# Altium PCB WX0.011.749PCB-4.2.PcbDoc (part 1 of 3) (continued)
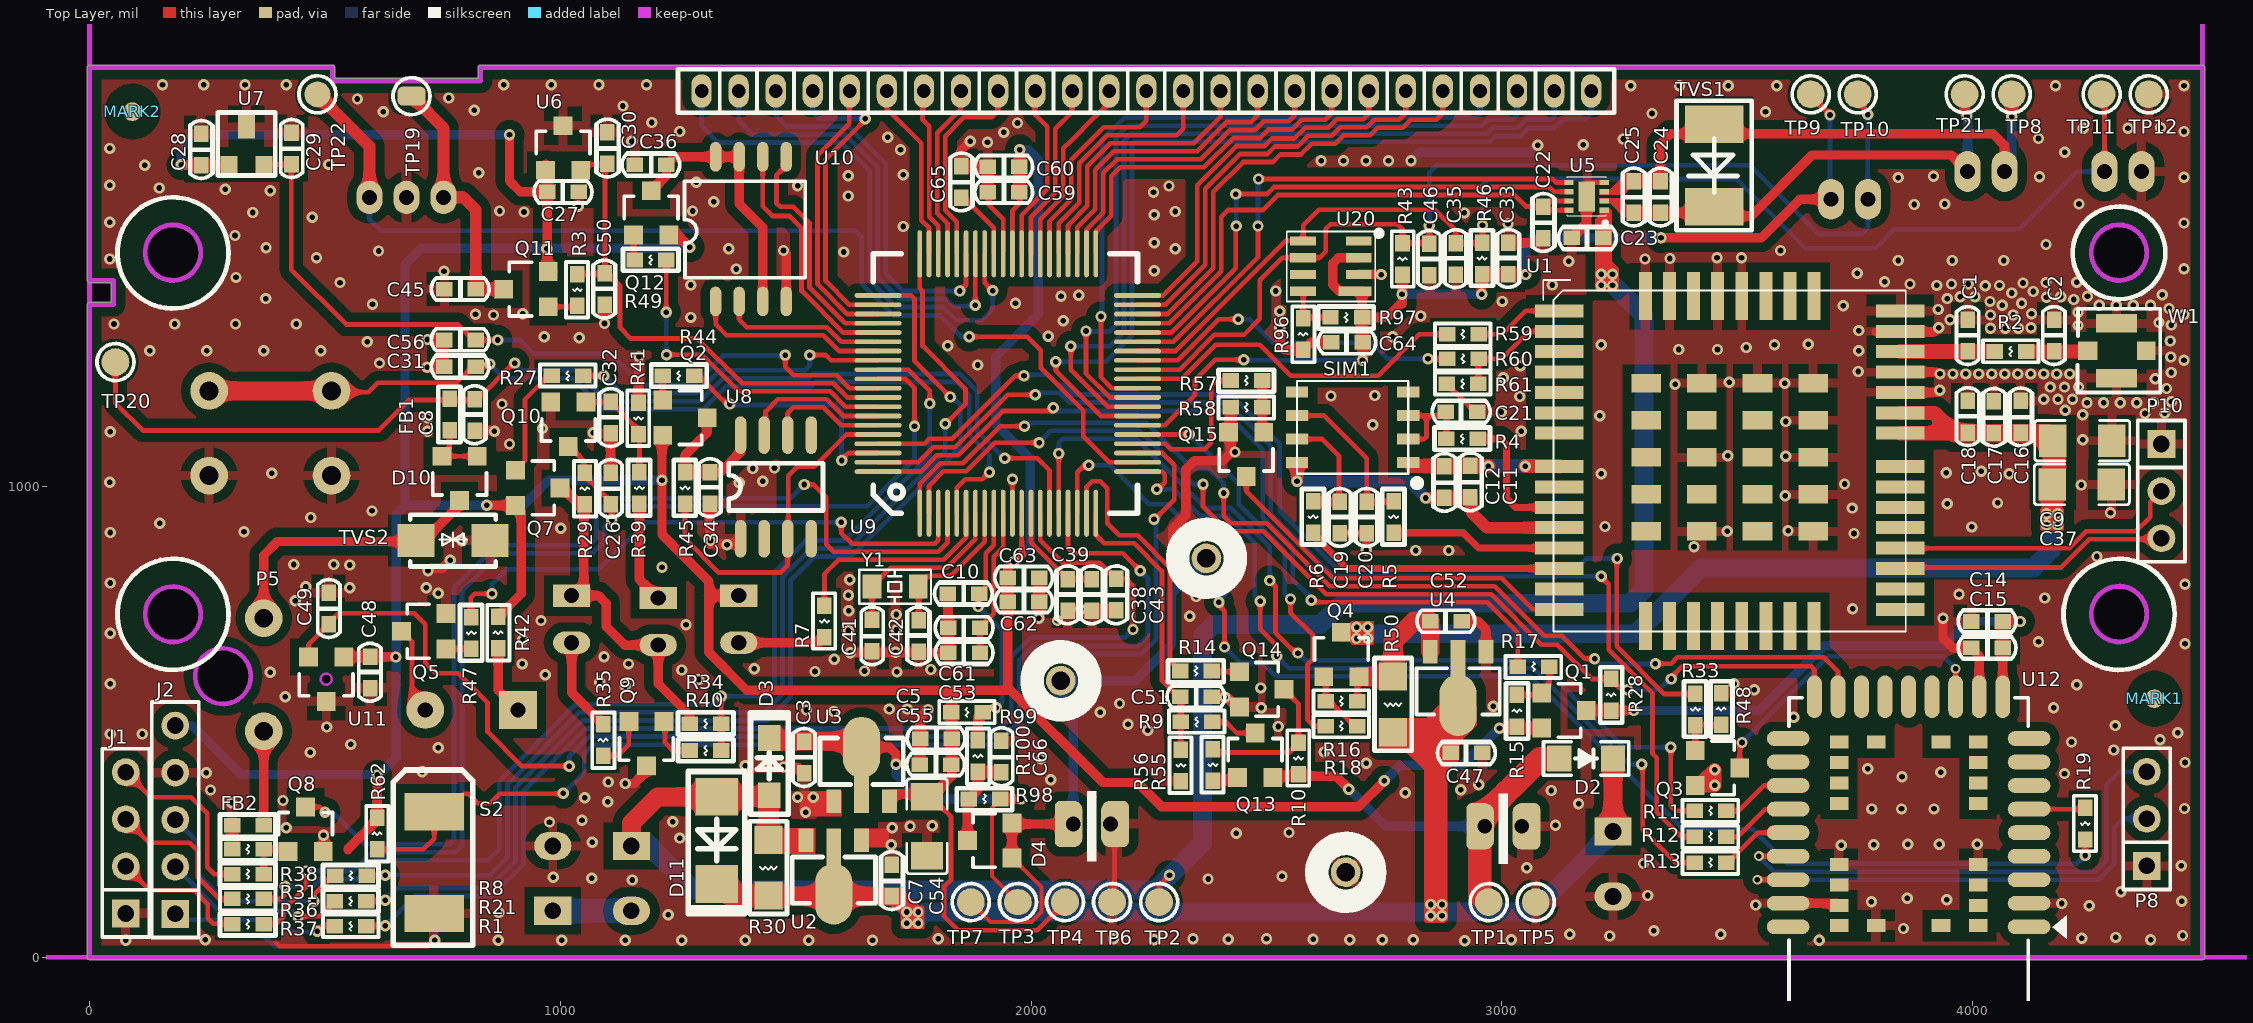
[diagram p0: Top Layer view]
## Footprints (in the part's own frame and the unit in brackets; to place one, negate y for a bottom-side part, rotate by r counter-clockwise, add the part's x,y. Pads: shape width x height; smd on the part's side, far side on the other; paste and mask are expansions set on the pad)
ANT-IPEX [mm] "IPX天线座"
  rect 1x1.05 smd: 1(0,0)
  rect 1x2.2 smd: 2(-1.475,1.55) 2(1.475,1.55)
  rect 1x1 smd: 2(0,3.151)
  silkscreen extent -2.26,-0.56 2.26,3.9
"Bar Code1" [mil]
  silkscreen extent 0,0 965,256
BAT-DIP-3 [mm]
  round 1.6 hole 1: 1(-8.9,-5.13) 1(-8.9,5.13) 2(8.9,0)
  silkscreen extent -10.08,-10.25 11.6,10.25
CAP0603 [mil]
  rect 35x31 smd: 1(-0.49,0) 2(66.51,0)
  silkscreen extent -29,-24 94,23, body extent 1,-15 72,15, height 20
CAPPC_350_800_1600R [mm]
  rect 1.524x2 hole 0.9: 1(-2.5,-1.905)
  oval 1.524x2 hole 0.9: 2(-6,-1.905)
  silkscreen extent -8.5,-1.02 0,16, body extent -8.22,-1.56 -0.22,15.94, height 7.99
CAPPC_500_800_2000R [mm]
  rect 1.524x2 hole 0.9: 1(-1.75,0)
  oval 1.524x2 hole 0.9: 2(1.75,0)
  silkscreen extent -4,-21.78 4,-0.76, body extent -3.97,-21.82 4.03,0.35, height 8
DO-214AA [mil]
  rect 80x125 smd: 1(5,0) 2(180,0)
  silkscreen extent -45,-80 230,80, body extent -13,-77 203,77, height 96
DO-214AC [mil]
  rect 80x90.55 smd: 1(-92.5,0) 2(92.5,0)
  silkscreen extent -146,-60 156,60, body extent -91,-53 90,53, height 94
GRM1206 [mm]
  rect 1.728x1.485 smd: 1(0,-1.593) 2(0,1.593)
  silkscreen extent -1.09,-2.56 1.09,2.56
HYT-0903 [mil]
  rect 80x80 hole 32: 1(0,0)
  round 80 hole 32: 2(196.85,0)
  silkscreen extent -79,-177 275,177, body extent -78,-176 276,178, height 217
IND0603 [mil]
  rect 35x31 smd: 1(0,0) 2(67,0)
  silkscreen extent -26,-24 92,23, body extent 0,-15 71,15, height 12
IR_254_532_300 [mm]
  rect 2x1.2 hole 0.813: 1(0,0)
  oval 2x1.2 hole 0.813: 2(0,-2.54)
  silkscreen extent -2.16,-3.23 2.16,0.91, body extent -1.65,-2.91 1.65,0.39, height 5.51
L-NLEEB21-G5BP4 [mm]
  oval 2.3x0.8 smd mask+0.051: 1(-12.95,12.36) 2(-12.95,11.09) 3(-12.95,9.82) 4(-12.95,8.55) 5(-12.95,7.28) 6(-12.95,6.01) 7(-12.95,4.74) 8(-12.95,3.47) 9(-12.95,2.2) 19(0.05,2.2) 20(0.05,3.47) 21(0.05,4.74) 22(0.05,6.01) 23(0.05,7.28) 24(0.05,8.55) 25(0.05,9.82) 26(0.05,11.09) 27(0.05,12.36)
  oval 1.5x0.8 on Mech1 mask+0.051: 1(-12.55,12.36) 2(-12.55,11.09) 3(-12.55,9.82) 4(-12.55,8.55) 5(-12.55,7.28) 6(-12.55,6.01) 7(-12.55,4.74) 8(-12.55,3.47) 9(-12.55,2.2) 19(-0.35,2.2) 20(-0.35,3.47) 21(-0.35,4.74) 22(-0.35,6.01) 23(-0.35,7.28) 24(-0.35,8.55) 25(-0.35,9.82) 26(-0.35,11.09) 27(-0.35,12.36)
  rect 0.4x0.4 on Mech1 paste-2 mask+0.102: 1(-2.73,13.4) 2(-0.9,13.4)
  oval 0.8x1.5 on Mech1 mask+0.051: 10(-11.53,0.35) 11(-10.26,0.35) 12(-8.99,0.35) 13(-7.72,0.35) 14(-6.45,0.35) 15(-5.18,0.35) 16(-3.91,0.35) 17(-2.64,0.35) 18(-1.37,0.35)
  oval 0.8x2.3 smd mask+0.051: 10(-11.53,-0.05) 11(-10.26,-0.05) 12(-8.99,-0.05) 13(-7.72,-0.05) 14(-6.45,-0.05) 15(-5.18,-0.05) 16(-3.91,-0.05) 17(-2.64,-0.05) 18(-1.37,-0.05)
  rect 1x0.7 smd: 28(-2.7,5.7) 29(-2.7,9) 30(-2.7,10.1) 31(-2.7,11.2) 32(-2.7,12.3) 33(-4.7,12.3) 34(-8.2,12.3) 35(-10.2,12.3) 36(-10.2,11.2) 37(-10.2,10.1) 38(-10.2,9) 39(-10.2,5.7) 40(-10.2,4.6) 41(-10.2,3.5) 42(-10.2,2.4) 43(-8.2,2.4) 44(-4.7,2.4) 45(-2.7,2.4) 46(-2.7,3.5) 47(-2.7,4.6)
  silkscreen extent -14.99,0 0,19, body extent -12.9,0 0,19, height 3
LCD_GVH21861A-HPP [mm]
  oval 1.1x1.8 hole 0.732: 1(0,0) 2(-2,0) 3(-4,0) 4(-6,0) 5(-8,0) 6(-10,0) 7(-12,0) 8(-14,0) 9(-16,0) 10(-18,0) 11(-20,0) 12(-22,0) 13(-24,0) 14(-26,0) 15(-28,0) 16(-30,0) 17(-32,0) 18(-34,0) 19(-36,0) 20(-38,0) 21(-40,0) 22(-42,0) 23(-44,0) 24(-46,0) 25(-48,0)
  silkscreen extent -56.95,-23 9.95,1.17, body extent -57.15,-23.24 9.14,0, height 5.2
LED2_300 [mm]
  rect 2x1.2 hole 0.813: 1(0,0)
  oval 2x1.2 hole 0.813: 2(0,-2.54)
  silkscreen extent -2.16,-2.53 2.16,0.91, body extent -1.65,-2.91 1.65,0.39, height 5.51
LGA_8 [mm]
  rect 1.8x0.5 smd: 1(1.039,-0.504)
  rect 1.4x0.5 smd: 2(0.839,-1.404) 3(0.839,-2.304) 4(0.839,-3.204) 5(3.839,-3.204) 6(3.839,-2.304) 7(3.839,-1.404) 8(3.839,-0.504)
  silkscreen extent -0.4,-3.78 4.72,0.05
LQFP80 [mm]
  oval 0.254x2.54 smd: 1(0,0) 2(0.5,0) 3(1,0) 4(1.5,0) 5(2,0) 6(2.5,0) 7(3,0) 8(3.5,0) 9(4,0) 10(4.5,0) 11(5,0) 12(5.5,0) 13(6,0) 14(6.5,0) 15(7,0) 16(7.5,0) 17(8,0) 18(8.5,0) 19(9,0) 20(9.5,0) 41(9.5,14) 42(9,14) 43(8.5,14) 44(8,14) 45(7.5,14) 46(7,14) 47(6.5,14) 48(6,14) 49(5.5,14) 50(5,14) 51(4.5,14) 52(4,14) 53(3.5,14) 54(3,14) 55(2.5,14) 56(2,14) 57(1.5,14) 58(1,14) 59(0.5,14) 60(0,14)
  oval 2.54x0.254 smd: 21(11.75,2.25) 22(11.75,2.75) 23(11.75,3.25) 24(11.75,3.75) 25(11.75,4.25) 26(11.75,4.75) 27(11.75,5.25) 28(11.75,5.75) 29(11.75,6.25) 30(11.75,6.75) 31(11.75,7.25) 32(11.75,7.75) 33(11.75,8.25) 34(11.75,8.75) 35(11.75,9.25) 36(11.75,9.75) 37(11.75,10.25) 38(11.75,10.75) 39(11.75,11.25) 40(11.75,11.75) 61(-2.25,11.75) 62(-2.25,11.25) 63(-2.25,10.75) 64(-2.25,10.25) 65(-2.25,9.75) 66(-2.25,9.25) 67(-2.25,8.75) 68(-2.25,8.25) 69(-2.25,7.75) 70(-2.25,7.25) 71(-2.25,6.75) 72(-2.25,6.25) 73(-2.25,5.75) 74(-2.25,5.25) 75(-2.25,4.75) 76(-2.25,4.25) 77(-2.25,3.75) 78(-2.25,3.25) 79(-2.25,2.75) 80(-2.25,2.25)
  silkscreen extent -2.5,0 11.75,14
MARK [mm]
  round 1 smd: 0(0,0)
  round 1 smd far side: 1(0,0)
  Top Layer pour cut-out: -1.5,0 -1.386,-0.574 -1.061,-1.061 -0.574,-1.386 0,-1.5 0,-1.5 0.574,-1.386 1.061,-1.061 1.386,-0.574 1.5,0 1.5,0 1.386,0.574 1.061,1.061 0.574,1.386 0,1.5 0,1.5 -0.574,1.386 -1.061,1.061 -1.386,0.574 -1.5,0
  Bottom Layer pour cut-out: -1.5,0 -1.386,-0.574 -1.061,-1.061 -0.574,-1.386 0,-1.5 0,-1.5 0.574,-1.386 1.061,-1.061 1.386,-0.574 1.5,0 1.5,0 1.386,0.574 1.061,1.061 0.574,1.386 0,1.5 0,1.5 -0.574,1.386 -1.061,1.061 -1.386,0.574 -1.5,0
MOD_M5310EV [mm]
  rect 2.6x0.7 smd: 1(-9.2,8.1) 2(-9.2,7) 3(-9.2,5.9) 4(-9.2,4.8) 5(-9.2,3.7) 6(-9.2,2.6) 7(-9.2,1.5) 8(-9.2,-0.3) 9(-9.2,-1.4) 10(-9.2,-2.5) 11(-9.2,-3.6) 12(-9.2,-4.7) 13(-9.2,-5.8) 14(-9.2,-6.9) 15(-9.2,-8) 16(9.2,-8) 17(9.2,-6.9) 18(9.2,-5.8) 19(9.2,-4.7) 20(9.2,-3.6) 21(9.2,-2.5) 22(9.2,-1.4) 23(9.2,-0.3) 24(9.2,1.5) 25(9.2,2.6) 26(9.2,3.7) 27(9.2,4.8) 28(9.2,5.9) 29(9.2,7) 30(9.2,8.1)
  rect 0.7x2.6 smd: 31(-4.55,-8.9) 32(-3.25,-8.9) 33(-1.95,-8.9) 34(-0.65,-8.9) 35(0.65,-8.9) 36(1.95,-8.9) 37(3.25,-8.9) 38(4.55,-8.9) 39(4.55,8.9) 40(3.25,8.9) 41(1.95,8.9) 42(0.65,8.9) 43(-0.65,8.9) 44(-1.95,8.9) 45(-3.25,8.9) 46(-4.55,8.9)
  rect 1.6x1 smd: 47(-4.5,4.2) 48(-1.5,4.2) 49(1.5,4.2) 50(4.5,4.2) 51(-4.5,2.2) 52(-1.5,2.2) 53(1.5,2.2) 54(4.5,2.2) 55(-4.5,0.2) 56(-1.5,0.2) 57(1.5,0.2) 58(4.5,0.2) 59(-4.5,-1.8) 60(-1.5,-1.8) 61(1.5,-1.8) 62(4.5,-1.8) 63(-4.5,-3.8) 64(-1.5,-3.8) 65(1.5,-3.8) 66(4.5,-3.8)
  silkscreen extent -10.06,-9.2 9.5,9.76
PH200_1*2R [mm]
  oval 1.4x2.2 hole 0.8: 1(-1,0) 2(1,0)
  silkscreen extent -3,-6 3,1.6, body extent -3.17,-6.22 3.17,1.78, height 5
PH200_1*2R_BAT [mm]
  oval 1x2.5 hole 0.8: 1(1.076,2.667) 2(-0.924,2.667)
  rrect50% 1.2x2.5 all layers, no hole: 1(1.473,2.667) 2(-1.321,2.667)
  silkscreen extent -2.92,-3.34 3.08,4.44, body extent -3.1,-3.56 3.25,4.45, height 5
PH200_1*3R [mm]
  oval 1.4x1.8 hole 0.8: 1(-4,0) 2(-2,0) 3(0,0)
  silkscreen extent -6,-6 2,1.6, body extent -5.99,-5.97 2.01,1.57, height 4
PIN254_1*3*WXHJ [mm]
  rect 1.5x1.5 hole 0.9: 1(0,0)
  round 1.5 hole 0.9: 2(2.54,0) 3(5.08,0)
  silkscreen extent -1.27,-1.27 6.35,1.27
PIN254_1*4*WXHJ [mm] "Connector; Header; 4 Position"
  rect 1.5x1.5 hole 0.9: 1(0,0)
  round 1.5 hole 0.9: 2(2.54,0) 3(5.08,0) 4(7.62,0)
  silkscreen extent -1.27,-1.27 8.89,1.27, body extent -1.3,-1.3 8.86,1.24, height 8.54
PIN254_1*5*1100S [mm]
  rect 1.5x1.5 hole 0.9: 1(0,0)
  round 1.5 hole 0.9: 2(2.54,0) 3(5.08,0) 4(7.62,0) 5(10.16,0)
  silkscreen extent -1.27,-1.27 11.43,1.27
RES0603 [mil]
  rect 35x31 smd: 1(0,0) 2(67,0)
  silkscreen extent -26,-24 92,23, body extent 0,-15 71,15, height 12
RES1206 [mil]
  rect 60x60 smd: 1(0,0) 2(118.11,0)
  silkscreen extent -39,-39 157,39, body extent -28,-29 150,29, height 20
S-PWSON-N8 [mm]
  rect 0.5x0.28 smd: 1(-0.95,0.75) 2(-0.95,0.25) 3(-0.95,-0.25) 4(-0.95,-0.75) 5(0.95,-0.75) 6(0.95,-0.25) 7(0.95,0.25) 8(0.95,0.75)
  rect 0.9x1.6 smd: 9(0,0)
  silkscreen extent -1.09,-1.05 1.04,1.52, body extent -0.98,-1 1.02,1, height 0.77
SIMIC [mm]
  rect 0.6x1.2 smd: 1(4.405,6) 2(3.135,6) 3(1.865,6) 4(0.595,6) 5(0.595,0) 6(1.865,0) 7(3.135,0) 8(4.405,0)
  silkscreen extent 0,0 5.59,6.56, body extent 0,0 4.95,5.97, height 0.6
SMAJ5.0CA [mm]
  rect 2x1.8 smd: 1(-2,0) 2(2,0)
  silkscreen extent -2.3,-1.4 2.3,1.4
SMD-3215_2P [mm]
  rect 1x1.3 smd: 1(0,0) 2(2.5,0)
  silkscreen extent -0.69,-0.91 3.19,0.91, body extent -0.3,-0.99 2.9,0.99, height 0.7
SOD-123FL#1 [mm]
  rect 1.3x1.4 smd: 1(0.074,0) 2(2.974,0)
  silkscreen extent -0.78,-0.9 3.82,0.9, body extent -0.28,-0.82 3.32,0.82, height 0.95
SOD-123FL#2 [mm]
  rect 1.4x1.2 smd: 1(0,0) 2(3.1,0)
  silkscreen extent -1.02,-1.02 4.44,1.02, body extent -0.2,-0.81 3.4,0.84, height 0.95
SOP-8 [mil]
  oval 80x24 smd: 1(0,0) 2(0,-50) 3(0,-100) 4(0,-150) 5(220,-150) 6(220,-100) 7(220,-50) 8(220,0)
  silkscreen extent 60,-175 160,25, body extent -7,-171 229,21, height 67
SOP-8L-200MIL [mm]
  oval 1.6x0.61 smd: 1(0,0) 2(0,-1.27) 3(0,-2.54) 4(0,-3.81) 5(7.8,-3.81) 6(7.8,-2.54) 7(7.8,-1.27) 8(7.8,0)
  silkscreen extent 1.27,-4.83 6.48,1.68, body extent 0.89,-4.35 6.89,0.55, height 1.7
SOT-23#1 [mil]
  rect 40x40 smd: 1(-37.4,-47.24) 2(37.4,-47.24) 3(0,47.24)
  silkscreen extent -57,-12 57,35, body extent -57,-55 57,55, height 47
SOT-23#2 [mil]
  rect 36x36 smd: 1(-37,-35) 2(38,-35)
  rect 36x50 smd: 3(0,45)
  silkscreen extent -60,-59 62,75, body extent -44,-35 44,45, height 39
SOT-89 [mm]
  rect 0.8x1.27 smd: 1(-1.5,-0.9) 3(1.5,-0.9)
  oval 2x3.3 smd: 2(0,2)
  rect 0.8x2.54 smd: 2(0,-0.265)
  silkscreen extent -2.25,0 2.25,2.5, body extent -2.25,-1.02 2.25,2.92, height 1.4
SWS_2_520_300 [mm]
  rect 2x3.2 smd: 1(0,0) 2(-5.5,0)
  silkscreen extent -7.2,-2.08 2.25,2.2
SWT_4_600_600 [mil]
  round 80 hole 40: 1(-130,-90) 1(130,-90) 2(-130,90) 2(130,90)
  silkscreen extent -180,-140 180,140, body extent -130,-90 130,90, height 157
TEST-PAD#1 [mm]
  round 1.5 smd: 1(0,0)
  silkscreen extent -1,-1 1,1
TEST-PAD#2 [mm]
  oval 1.5x1.397 smd: 1(0,0)
  silkscreen extent -1,-1 1,1
TEST-PAD#3 [mm]
  rrect50% 1.016x1.5 smd: 1(0,0)
  silkscreen extent -1,-1 1,1
TEST-PAD#4 [mm]
  round 1.397 smd: 1(0,0)
  silkscreen extent -1,-1 1,1
WXHJ_CONNECT_01 [mil]
  round 80 hole 40: 1(0,-240) 2(0,0)
  Keep-Out Layer circle w10: c86.51,-116.99 r59.05

## Part data
*: library part "AD_WXHJ_Bar Code_02", "条形码 ,填充，无需焊接器件", Part Name=条形码, ID=17, Part Number="AD_WXHJ_Bar Code_02", SMD/DIP=SMD
B1: library part 1010602-0007, "直插,直径9mm,高5.5mm,5 V,2 V,30 mA,兴化市华宇电子有限公司,HYT-0903", Part Name=有源蜂鸣器, ID=28, Part Number=1010602-0007, SMD/DIP=DIP
C1 C2 C41 C42: library part 101020103-0005, "12P,50 V,±5%,0603,国巨,CC0603JRNPO9BN12", Part Name=0603贴片电容, ID=11, Part Number=101020103-0005, SMD/DIP=SMD
C3 C14: library part 101020103-0026, "106pF,10 V,±10%,0603,村田,GRM188R61A106KE47D", Part Name=0603贴片电容, ID=8, Part Number=101020103-0026, SMD/DIP=SMD
C5 C7 C8 C10 C11 C16 C22 C23 C24 C31 C33 C34 C36 C39 C43 C47 C59 C60 C61 C62 C63 C64 C65: library part 101020103-0021, "104pF,50 V,±10%,0603,国巨,CC0603KRX7R9BB104", Part Name=0603贴片电容, ID=3, Part Number=101020103-0021, SMD/DIP=SMD
C6 C44: library part 1010202-0015, "1F,2.75 V,-20%~+20%,8mm*16mm,红宝石,2.7 DMC 1 M MY4 8X16", Part Name=法拉电容, ID=12, Part Number=1010202-0015, SMD/DIP=DIP
C9 C37 C54: library part 101020101-0020, "100uF,6.3 V,±20%,1206,村田,GRM31CR60J107ME39L", Part Name=贴片电容, ID=27, Part Number=101020101-0020, SMD/DIP=SMD
C12 C17 C19 C20 C21 C25 C46 C50 C56 C66: library part 101020103-0027, "33pF,50 V,±10%,0603,国巨,CC0603KRNPO9BN33", Part Name=0603贴片电容, Part Number=101020103-0027, SMD/DIP=SMD
  C12 C17 C19 C20 C21 C25 C46 C66: ID=18
  C50 C56: ID=17
C13: library part 1010203-0029, "1000uF,16 V,±20%,8*20mm,Rubycon,16ZLH1000M", Part Name=电解电容, ID=2, Part Number=1010203-0029, SMD/DIP=DIP
C15 C27 C28 C38 C45 C48 C52 C53: library part 101020103-0003, "105pF,16 V,±10%,0603,国巨,CC0603KRX7R7BB105", Part Name=0603贴片电容, ID=14, Part Number=101020103-0003, SMD/DIP=SMD
C18 C32 C51: library part 101020103-0014, "10pF,50 V,±5%,0603,X7R,国巨,CC0603JRNPO9BN100", Part Name=0603贴片电容, ID=7, Part Number=101020103-0014, SMD/DIP=SMD
C26: library part 101020103-0010, "101pf,50 V,±5%,0603,国巨,CC0603JRNP09BN101", Part Name=0603贴片电容, ID=4, Part Number=101020103-0010, SMD/DIP=SMD
C29 C30 C49: library part 101020103-0022, "102pF,50 V,±10%,0603,国巨,CC0603KRX7R9BB102", Part Name=0603贴片电容, ID=13, Part Number=101020103-0022, SMD/DIP=SMD
C35: library part 101020103-0021, Part Name=0603贴片电容, ID=3, Part Number=101020103-0021, SMD/DIP=SMD
C55: library part 101020103-0009, "22pF,50 V,±5%,0603,国巨,CC0603JRNPO9BN22", Part Name=0603贴片电容, ID=16, Part Number=101020103-0009, SMD/DIP=SMD
D2: library part 101040101-0048, "DS36W,SOD123-FL,3 A,42 V,60 V,浙江领晨科技有限公司,DS36W", Part Name=贴片肖特基, Part Number=101040101-0055, ID=8, SMD/DIP=SMD
D3: library part 101040101-0048, "DS12W,SOD-123FL,1 A,0.55 V,20 V,领晨科技,DS12W", Part Name=贴片肖特基, ID=9, Part Number=101040101-0048, SMD/DIP=SMD
D4 D10: library part 101040101-0038, "BAT54CLT1，SOT23-3,SOT23-3,0.2 A,0.8 V,30 V,安森美,BAT54CLT1", Part Name=贴片肖特基, ID=31, Part Number=101040101-0038, SMD/DIP=SMD
D5: library part 101040102-0010, "DIP-2,φ3,插件,红光,上海品观电子有限公司/可得,AT203", Part Name=红外发射管, ID=1, Part Number=101040102-0010, SMD/DIP=DIP
D6: library part 101040102-0011, "DIP-2,φ3,插件,红光,上海品观电子有限公司/可得,AT403-PD-01", Part Name=光敏二极管, ID=3, Part Number=101040102-0011, SMD/DIP=DIP
D7: library part 101040102-0001, "圆形插件,3mm 圆形,插件,红光,湖北匡通电子有限公司,3BB4HC", Part Name=发光二极管, ID=6, Part Number=101040102-0001, SMD/DIP=DIP
D11: library part 101040101-0009, "SS12,DO-214AC,1 A,0.55 V,20 V,昶鑫,SS12", Part Name=贴片肖特基, ID=13, Part Number=101040101-0009, SMD/DIP=SMD
FB1 FB2: library part 109010101-0003, "chilisin(奇力新),0603,30Ω ±25% @100MHz,150 V,125 ℃,PBY160808T-300Y-N,-55 ℃,不含铅,,,圆盘,30Ω ±25% @100MHz", Part Name=磁珠, ID=25, Part Number=109010101-0003, SMD/DIP=SMD
J1: library part AD_WXHJ_PinHeader_01, "1*4 ，Φ1.0 ，2.54mm，直脚,无需焊接器件", Part Name=排针, ID=16, Part Number=AD_WXHJ_PinHeader_01, SMD/DIP=DIP
J2: library part AD_WXHJ_PinHeader_02, "1*5 ，Φ1.0 ，2.54mm，直脚,无需焊接器件", Part Name=排针, ID=17, Part Number=AD_WXHJ_PinHeader_02, SMD/DIP=DIP
J3 P1 P2 P3 P6 P7: library part 1010902-0105, "2.0-2AW,直插弯座，2PIN，脚间距2mm，带防翘起,公头,单排,2.0-2AW;直插弯座，2PIN,脚间距2mm，带防翘起", Part Name=PH座, ID=11, Part Number=1010902-0105, SMD/DIP=DIP
LCD1: library part 1010801-0028, "GVH21861A-HPP/GVH20913A－HPP-WG,65*23mm,针脚,段码,21,液晶,全透,60 ℃,-20 ℃,金视界/合肥精显,GVH21861A-HPP/GVH20913A－HPP-WG", Part Name=LCD液晶屏, ID=8, Part Number=1010801-0028, SMD/DIP=LCD-4COMx21SEG
MARK1 MARK2: library part AD_WXHJ_MARK_01, "MARK点", ID=8, Part Name=MARK点, Part Number=AD_WXHJ_MARK_01, SMD/DIP=SMD
P5: library part AD_WXHJ_Connect_01, "电源连接线", Part Name=电源线焊盘, ID=26, Part Number=AD_WXHJ_Connect_01, SMD/DIP=DIP
P9: library part 1010902-0104, "2.0-3AW,3PIN，2mm脚间距,公头,单排,2.0-3AW；3PIN，脚间距2mm直插弯座带防翘起", Part Name=PH座, ID=12, Part Number=1010902-0104, SMD/DIP=DIP
P10: library part AD_WXHJ_PinHeader_04, "1*3 ，Φ1.0 ，2.54mm，直脚,无需焊接器件", Part Name=排针, ID=27, Part Number=AD_WXHJ_PinHeader_04, SMD/DIP=DIP
Q1 Q4: library part 101040201-0013, "UT3401ZG,P-MOS,SOT-23,UTC,UT3401ZG", Part Name=功率MOS管, ID=18, Part Number=101040201-0013, SMD/DIP=SMD
Q2 Q7 Q9 Q11 Q12 Q13: library part 101040201-0001, "9012,PNP,SOT-23,JCET;长电,S9012", Part Name=贴片三极管, Part Number=101040201-0001, SMD/DIP=SMD
  Q2 Q7 Q9 Q11 Q12: ID=16
  Q13: ID=17
Q3 Q5 Q8 Q10 Q14 Q15: library part 101040201-0002, "9013,NPN,SOT-23,长电,S9013", Part Name=贴片三极管, Part Number=101040201-0002, SMD/DIP=SMD
  Q3 Q14: ID=15
  Q5 Q8 Q10 Q15: ID=14
R1 R8 R21 R35: library part 101010103-0022, "100R,±5%,1/10W,0603,国巨,RC0603JR-07100RL", Part Name=0603贴片电阻, ID=5, Part Number=101010103-0022, SMD/DIP=SMD
R2 R96: library part 101010103-0001, "国巨,±5%,0603,,155 ℃,-55 ℃,RC0603J2-070RL,无铅,200 ppm/℃,1/10W,,0R", Part Name=0603贴片电阻, ID=1, Part Number=101010103-0001, SMD/DIP=SMD
R3 R14 R27 R31 R33 R40 R47 R49 R57: library part 101010103-0006, "国巨,±5%,0603,,155 ℃,-55 ℃,RC0603JR-073KL,无铅,100 ppm/℃,1/10W,,3K", Part Name=0603贴片电阻, Part Number=101010103-0006, SMD/DIP=SMD
  R3 R27 R31 R40 R47 R49 R57: ID=22
  R14 R33: ID=23
R4 R5 R6: library part 101010103-0009, "国巨,±5%,0603,,155 ℃,-55 ℃,RC0603JR-0722RL,无铅,200 ppm/℃,1/10W,,22欧", Part Name=0603贴片电阻, ID=17, Part Number=101010103-0009, SMD/DIP=SMD
R7 R11 R12 R13 R19 R28 R36 R37 R38 R58 R59: library part 101010103-0008, "1K,±5%,1/10W,0603,国巨,RC0603JR-071KL", Part Name=0603贴片电阻, Part Number=101010103-0008, SMD/DIP=SMD
  R7 R36 R37 R59: ID=9
  R11 R12 R13 R19 R28 R38 R58: ID=10
R9: library part 101010103-0066, "330K,±5%,1/10W,0603,国巨,RC0603JR-07330KL", Part Name=0603贴片电阻, ID=31, Part Number=101010103-0066, SMD/DIP=SMD
R10 R44 R55: library part 101010103-0003, "国巨,±5%,0603,,155 ℃,-55 ℃,RC0603JR-0710KL,无铅,200 ppm/℃,1/10W,,10K", Part Name=0603贴片电阻, ID=7, Part Number=101010103-0003, SMD/DIP=SMD
R15 R17: library part 101010103-0003, "10K±5%,1/10W,0603", Part Name=0603贴片电阻, ID=32, Part Number=101010103-0003
R16: library part 101010103-0025, "国巨,±5%,0603,,155 ℃,-55 ℃,RC0603JR-072ML,含铅,100 ppm/℃,1/10W,,2M", Part Name=0603贴片电阻, ID=20, Part Number=101010103-0025, SMD/DIP=SMD
R18: library part 101010103-0034, "200K,±5%,1/10W,0603,国巨,RC0603JR-07200KL", Part Name=0603贴片电阻, ID=13, Part Number=101010103-0034, SMD/DIP=SMD
R29 R34 R39 R45 R48 R60 R61: library part 101010103-0004, "国巨,±5%,0603,,155 ℃,-55 ℃,RC0603JR-0720KL,无铅,200 ppm/℃,1/10W,,20K", Part Name=0603贴片电阻, ID=15, Part Number=101010103-0004, SMD/DIP=SMD
R30 R50 R98 R99 R100: library part 101010101-0013, "0Ω,±5%,1/4W,1206,国巨,RC1206JR-070RL", Part Name=1206贴片电阻, ID=2, Part Number=101010101-0013, SMD/DIP=SMD
R41: library part 101010103-0012, "47K,±5%,1/10W,0603,国巨,RC0603JR-0747KL", Part Name=0603贴片电阻, ID=25, Part Number=101010103-0012, SMD/DIP=SMD
R42: library part 101010103-0037, "国巨,±5%,0603,,155 ℃,-55 ℃,RC0603JR-0751RL,无铅,100 ppm/℃,1/10W,,51欧", Part Name=0603贴片电阻, ID=28, Part Number=101010103-0037, SMD/DIP=SMD
R43 R46: library part 101010103-0015, "国巨,±5%,0603,,155 ℃,55 ℃,RC0603JR-075.1KL,无铅,200 ppm/℃,1/10W,,5.1k", Part Name=0603贴片电阻, ID=26, Part Number=101010103-0015, SMD/DIP=SMD
R56: library part 101010103-0044, "220K,±5%,1/10W,0603,国巨,RC0603JR-07220KL", Part Name=0603贴片电阻, ID=30, Part Number=101010103-0044, SMD/DIP=SMD
R62: library part 101010103-0002, "国巨,±5%,0603,,155 ℃,-55 ℃,RC0603JR-071ML,无铅,200 ppm/℃,1/10W,,1M", Part Name=0603贴片电阻, ID=11, Part Number=101010103-0002, SMD/DIP=SMD
R97: library part 101010103-0002, "国巨,±5%,0603,,155 ℃,-55 ℃,RC0603JR-071ML,无铅,200 ppm/℃,1/10W,,1M"
S1: library part 1011001-0027, "TS-1102,机械轻触,6*6*4.3直插,6*6*4.3直插,乐清市羽欧电子", Part Name=按键, ID=30, Part Number=1011001-0027, SMD/DIP=DIP
S2: library part 1011001-0041, "CSX-SEN-645B,垂直45°开关转换,3*5.2mm,360°任意方位倾斜检测,深圳市成晟科技有限公司", Part Name=倾斜开关, Part Number=1011001-0051, ID=33, SMD/DIP=SMD
SIM1: library part 05_SIMIC
TP1 TP2 TP3 TP4 TP5 TP6 TP7 TP8 TP9 TP10 TP11 TP12 TP19 TP20 TP21 TP22: library part AD_WXHJ_TEST-PAD_01, "单面焊盘测试点", Part Name=测试点, ID=23, Part Number=AD_WXHJ_TEST-PAD_01, SMD/DIP=SMD
TVS1: library part 101040101-0024, "SMBJ6.0CA,DO-214AA,10.3 V,6.0 V,600 W,58.3 A,800 uA,上海君耀电子有限公司,SMBJ6.0CA", Part Name=TVS管, ID=23, Part Number=101040101-0024, SMD/DIP=SMD
TVS2: library part SMAJ5.0CA_C693487, BOM_JLCPCB Part Class="Extended Part", BOM_Manufacturer=FTR, BOM_Manufacturer Part=SMAJ5.0CA, BOM_Supplier=LCSC, BOM_Supplier Part=C693487, Contributor=LCSC, spicePre=D, spiceSymbolName=SMAJ5.0CA_C693487
U1: library part MOD_M5310EV_LGA66P, "Module_M5310EV_0.9mm", Manufacturer=Module_M5310EV, Geometry.Height=0.9mm, PCB DECAL=MOD_M5310EV, Vendor=中移物联网
U2: library part 1010503-0013, "S-1206B50-U3,S-1206B50-U3,SOT89-3,6.5 V,1.7 V,0.2 V,5 V,250mA@VIN≧VOUT(S)＋1.0 V﹐1.5 V≦VOUT(S),1 uA,精工电子", Part Name=贴片稳压器, ID=6, Part Number=1010503-0013, SMD/DIP=SMD
U3: library part 1010503-0002, "S-1206B33-U3T1G,S-1206B33-U3T1G,SOT89-3,6.5 V,1.7 V,0.15 V,3.3 V,250mA@VIN≧VOUT(S)＋1.0 V﹐1.5 V≦VOUT(S),1 uA,精工电子", Part Name=线性稳压芯片, ID=5, Part Number=1010503-0002, SMD/DIP=SMD
U4: library part 1010503-0031, "CE6232A36P,CE6232A36P,SOT89-3,8 V,1.8 V,0.11 V,3.6 V,600mA,0.8 uA,南京芯力微电子有限公司", Part Name=贴片稳压器, ID=30, Part Number=1010503-0031, SMD/DIP=SMD
U5: library part 101050101-0060, "DRV8837DSGR,S-PWSON-N8,TI,DRV8837DSGR", Part Name=驱动芯片, ID=23, Part Number=101050101-0060, SMD/DIP=SMD
U6 U7 U11: library part 1010504-0002, "S-5712ACDL1,SOT23-3,3.5 V,1.6 V,2 uA,精工电子,S-5712ACDL1", Part Name=霍尔元件, ID=2, Part Number=1010504-0002, SMD/DIP=SMD
U8: library part 04_ESAM
U9: library part CIU32L061
U10: library part 04_GD25VQ80CSIG
U12: library part L-NLEEB21-G5BP4
U20: Part Number=1011301-0022
W1: library part 1010902-0053, "IPEX，配GPRS天线转接线", Part Name=IPEX座, ID=2, Part Number=1010902-0053, SMD/DIP=DIP
Y1: library part 1010601-0009, Part Name=贴片晶振, Part Number=1010601-0020, ID=20, SMD/DIP=SMD

## Via types
v1: diameter 24, hole 12, Top Layer to Bottom Layer, tented both sides, 618 vias
v2: diameter 21, hole 12, Top Layer to Bottom Layer, tented both sides, 3 vias

## Nets (pads, with @x,y where several pads share a name; then routed paths per layer and width w, separated by ;. In a path a pad name is that pad's centre, name@x,y a point inside that pad or via, vN(x,y) a via of type N, cw(c..) or ccw(c..) an arc to the next point about the centre after c; other vN are vias at no path point)
3.3V: C5.1 C27.1 C28.1 C48.1 C54.2 C55.1 C59.1 C60.1 C62.2 C63.2 D7.1 J2.5 Q1.2 Q2.2 Q7.2 Q11.2 Q12.2 R15.1 R42.2 R62.2 R99.2 TP4.1 U3.3 U6.1 U7.1 U9.12 U9.50 U11.1 | length 9830.7
  Top Layer w10: C54.2@1787.7,340.7 1830,298.39 1830,165 1815,150 1815,87 1845,57 2013,57 TP4.1@2072,116 ; U9.50@1960.36,1494.18 1960.36,1585.85 1976,1601.49 C59.1@1976,1625.49 ; 1980.04,856.53 U9.12@1980.04,943
  Top Layer w20: v1(195,1683) 236.51,1683 C28.1@237,1682.51 294.51,1682.51 U7.1@296,1684 ; U11.1@540.16,637.8 C48.1@595.3,637.8 ; 549,228 549,230 611,292 R62.2@611,296 v1(611,387) ; C48.1@596,638.49 C48.1@595.3,637.8 ; v1(650.45,637.8) C48.1@595.3,637.8 ; v1(844,960) 844.4,959.6 Q7.2@904.76,959.6 917,947.35 917,772 R42.2@868,723 ; v1(892,1747) 892,1649 915,1626 C27.1@972,1626 ; U6.1@969,1684 972,1681 C27.1@972,1626 ; C27.1@972.51,1626 C27.1@972,1626 ; Q11.2@976,1464.65 Q11.2@984.24,1456.4 ; Q11.2@977.24,1456.4 972,1461.65 C27.1@972,1626 ; Q2.2@1221.76,1109.6 1216,1103.84 1216,898 1315,799 1315,768 ; Q12.2@1230.4,1533.76 1249.24,1533.76 v1(1275,1508) ; D7.1@1379,768 1315,768 ; U3.3@1700.05,346.57 1774.13,346.57 C54.2@1780,340.7 ; C54.2@1779,340.7 C54.2@1780,340.7 ; C60.1@1975,1679 1975,1626.49 1976,1625.49 v1(1976,1715.51) ; 1980.04,856.53 v1(1963.51,840) 1950.49,826.98 C63.2@1950.49,806 C62.2@1950.49,755 1950.49,573 ; TP4.1@2072,116 TP4.1@2072,117 ; v1(2750.5,374.5) 2696,320 2277,320 2226,371 2152.49,371 1950.49,573 ; v1(2995,486.6) Q1.2@3084.76,486.6 ; 1315,768 1315,648 1396,567 1831.49,567 ; C54.2@1780,340.7 1787.7,340.7 1831.49,384.49 C5.1@1831.49,464 1831.49,567 ; 1831.49,567 1950.49,567 1950.49,573
  Bottom Layer w20: J2.5@182,492 218,492 322,388 615,388 651.15,424.15 651.15,940.15 672,961 ; v1(195,1683) 195,1720 222,1747 v1(892,1747) ; 670,961 670,1472 704,1506 1273,1506 v1(1275,1508) ; 671,960 v1(844,960) 922,960 975,1013 v1(1216,1013) ; v1(1963.51,840) 1998,874.49 1998,1059.67 1925,1132.67 1925,1275.49 2015.51,1366 2015.51,1694 1994,1715.51 v1(1976,1715.51) ; v1(2750.5,374.5) 2784,408 2916.4,408 v1(2995,486.6)
  other v1: 971,1505
3.6V: C3.1 D3.2 R98.2 TP3.1 U3.2 | length 916.8
  Top Layer w8: R98.2@1935,336 1917,318 1917,172 TP3.1@1972,117
  Top Layer w10: TP3.1@1972,117 TP3.1@1972,134
  Top Layer w20: U3.2@1640,445.74 1699.26,445.74 1713,432 v1(1713,410) ; R98.2@1935,336 v1(1979,336)
  Top Layer w40: D3.2@1444,466.05 1451.05,459 U3.2@1638,459
  Bottom Layer w20: v1(1713,410) 1713,389 1766,336 v1(1979,336)
5V: C6.1 C23.2 D3.1 D11.1 R30.2 TP2.1 U2.3 U5.1 | length 4005.5
  Top Layer w10: TP2.1@2272,117 2272,152 v1(2294,174)
  Top Layer w20: v1@3215.51,1459.51 C23.2@3215.51,1528
  Top Layer w40: C6.1@1151,236.22 1151,285 1206.5,340.5 D11.1@1332,340.5 1441.5,340.5 D3.1@1442,340 ; R30.2@1442,249.11 D3.1@1442,340 ; D3.1@1444,344 1442,342 D3.1@1442,340
  Bottom Layer w40: C6.1@1146,244.22 1181.78,244.22 1283,143 2265,143 2364,242 2364,683 2388,707 2615,707 2615.47,707 2660.47,752 3272,752 3302,782 3302,1363 3224,1441
  other v1: 3211,1427 3235,1427 3211,1451 3235,1451
119: C8.1 FB1.1 TP20.1 U9.15 | length 2436.9
  Top Layer w10: TP20.1@55,1264 55,1177 113,1119 614,1119 678.49,1183.49 FB1.1@765,1183.49 ; FB1.1@765,1183 817.51,1183 818,1183.49 822.49,1183.49 v1@901.5,1262.5 ; v1(1944,1060) 2013,1060 2039.1,1033.9 U9.15@2039.1,943
  Bottom Layer w10: v1(903,1262) 918,1247 1033,1247 1099,1181 1297.08,1181 1311,1194.92 1311,1195.3 1345.7,1230 1527.04,1230 1536.04,1239 1848.8,1239 1885.51,1202.3 1885.51,1117 1942.51,1060 v1(1944,1060)